# Altium PCB V5+_CORE_RC02.PcbDoc (part 3 of 3) (continued)
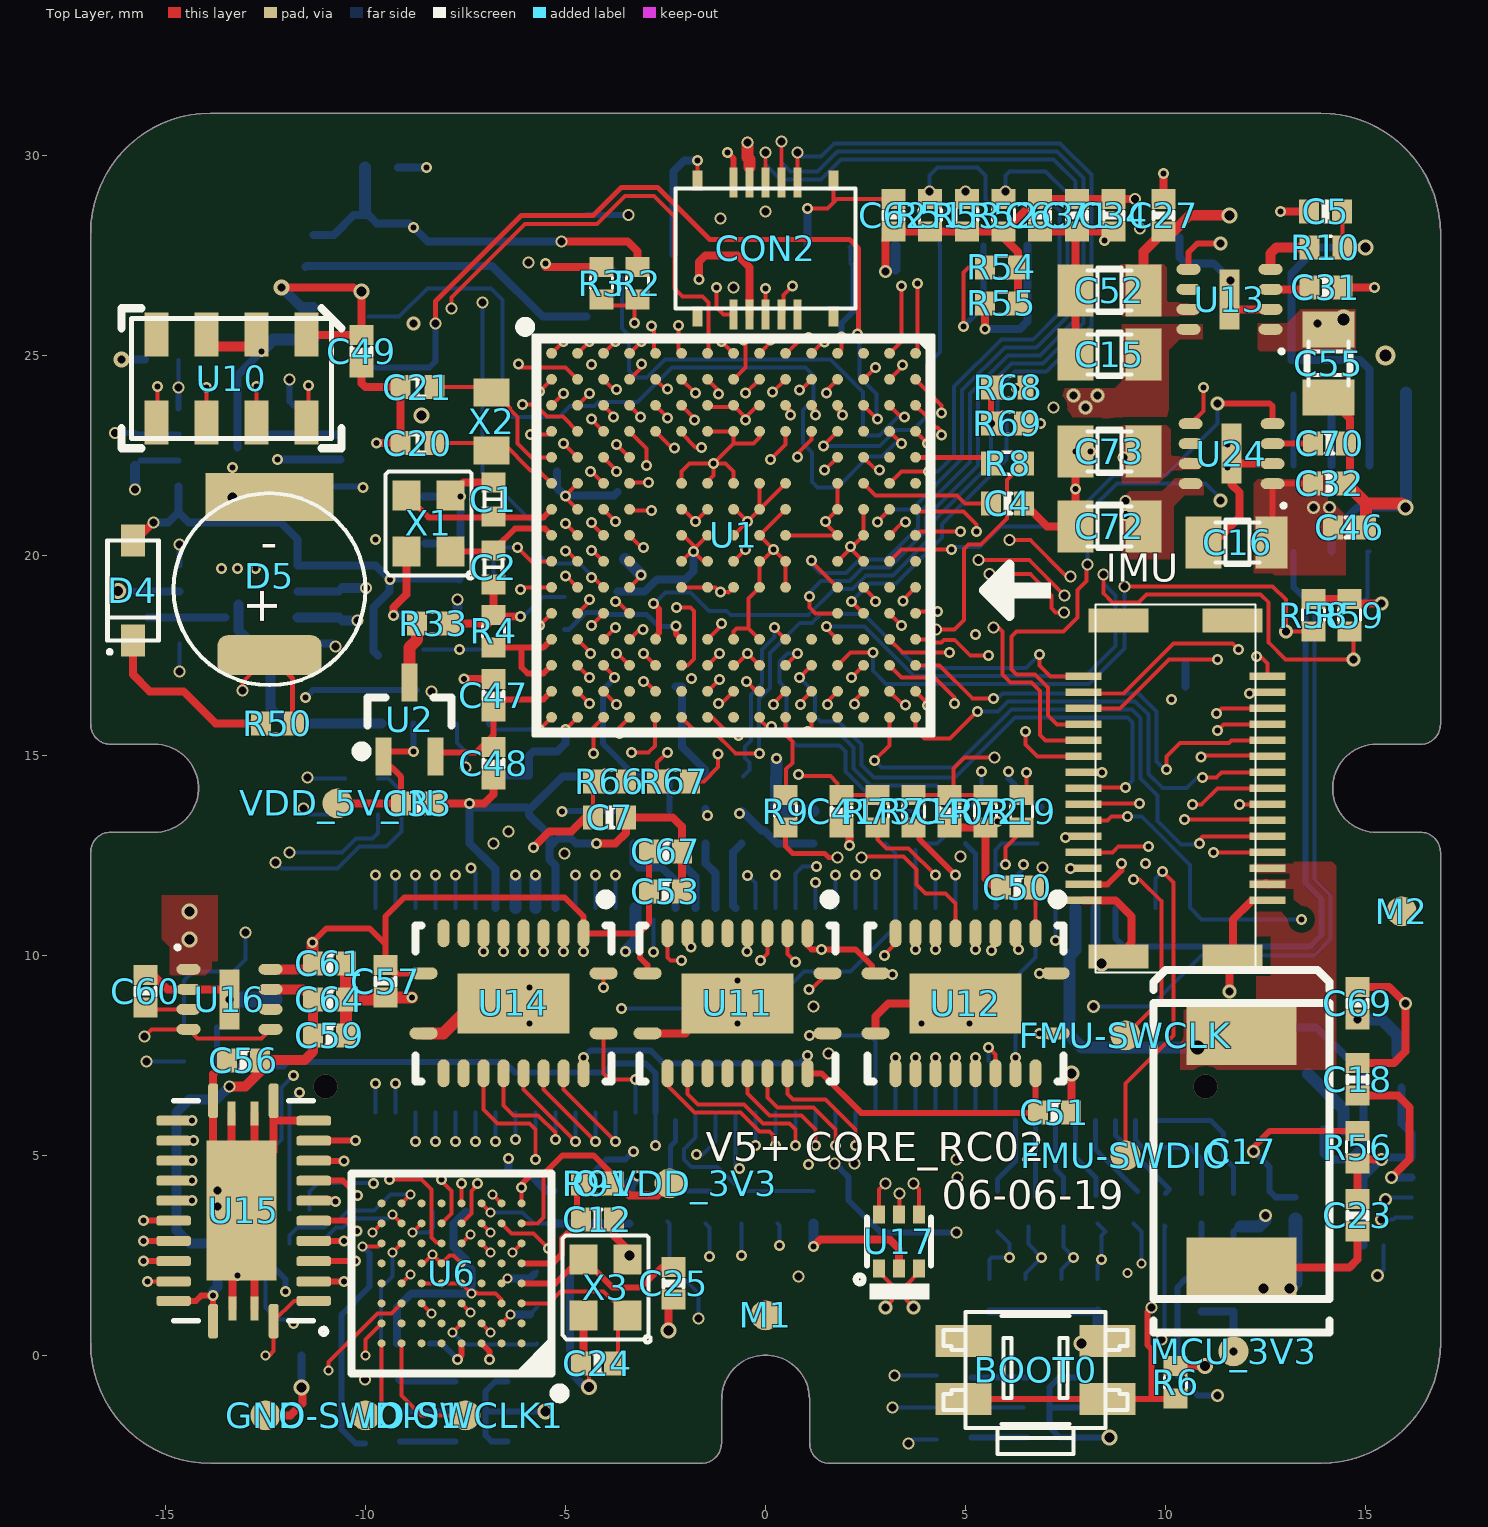
[diagram p0: Top Layer view]
## Nets (pads, with @x,y where several pads share a name; then routed paths per layer and width w, separated by ;. In a path a pad name is that pad's centre, name@x,y a point inside that pad or via, vN(x,y) a via of type N, cw(c..) or ccw(c..) an arc to the next point about the centre after c; other vN are vias at no path point) (continued)
  S1 w0.1: v1(-2.175,25.75) -1.974,25.951 -1.112,25.951 -1.111,25.95 -0.49,25.95 -0.302,26.137 0.222,26.137 0.474,26.388 0.814,26.388 1.114,26.688 2.746,26.688 3.11,26.325 3.868,26.325 4.418,26.875 6.203,26.875 6.853,26.225 9.038,26.225 10.612,24.651 10.612,23.958 11.1,23.47 11.1,21.549 v5@11.275,21.375
  S2 w0.1: v1(-12.725,24.225) -12.725,23.825 -12.55,23.65 -11.258,23.65 -10.683,24.225 -7.26,24.225 -5.785,25.7 -3.96,25.7 -3.396,26.263 -2.628,26.263 -2.175,25.811 v1(-2.175,25.75)
  Bottom Layer w0.1: v2(8.05,19.775) 8.05,21.067 8.783,21.8 11,21.8 v5@11.375,21.425
  other v5: 11.375,21.375
SPI6_SCK_EXTERNAL2: IMU.17 U1.A8 U10.8 | length 39.2
  Top Layer w0.1: U10.8@-11.475,23.325 -11.425,23.375 v1(-11.425,24.25) ; v1(-1.1,25.35) U1.A8@-0.8,25.05 ; IMU.17@7.95,16.575 7.975,16.55 8.95,16.55 10.2,17.8 11.676,17.8 v1(11.825,17.651)
  S1 w0.1: v1(-1.1,25.35) -1.1,25.7 -1.05,25.75 -0.407,25.75 -0.232,25.925 0.293,25.925 0.556,26.188 0.897,26.188 1.197,26.488 2.663,26.488 3.027,26.125 3.951,26.125 4.501,26.675 6.12,26.675 6.77,26.025 8.955,26.025 10.412,24.568 10.412,23.875 10.9,23.387 10.9,18.2 11.212,17.888 11.588,17.888 v1(11.825,17.651)
  S2 w0.1: v1(-11.425,24.25) -11.05,24.625 -7.425,24.625 -5.95,26.1 -4.125,26.1 -3.562,26.663 -2.462,26.663 -2.123,26.325 -1.45,26.325 -1.1,25.975 v1(-1.1,25.35)
SPIAUX_CS_MEM: U1.J4
TELEM1_CTS: CON1.65 U11.18 | length 3.7
  Top Layer w0.1: U11.18@0.55,7.05 0.55,6.532 0.682,6.4 1.5,6.4 2.25,5.65 v1(2.25,5.25)
  Bottom Layer w0.1: v1@2.25,5.35 CON1.65@2.25,6.07
TELEM1_RTS: CON1.66 U11.20 | length 4
  Top Layer w0.1: v1(1.1,8) 1.5,8 U11.20@1.55,8.05
  Bottom Layer w0.1: v1(1.1,8) 2.5,8 2.55,8.05 2.75,7.85 CON1.66@2.75,6.05
TELEM1_RX: CON1.64 U11.17 | length 3.8
  Top Layer w0.1: U11.17@0.05,7.05 0.05,6.45 0.3,6.2 1.2,6.2 1.75,5.65 v1(1.75,5.25)
  Bottom Layer w0.1: v1@1.75,5.35 CON1.64@1.75,6.07
TELEM1_TX: CON1.63 U11.16 | length 3.7
  Top Layer w0.1: U11.16@-0.45,7.05 -0.45,6.55 0.1,6 0.9,6 1.25,5.65 v1(1.25,5.25)
  Bottom Layer w0.1: v1@1.25,5.35 CON1.63@1.25,6.07
TELEM2_CTS: CON1.69 U12.14 | length 1.8
  Top Layer w0.1: U12.14@4.25,7.05 v1(4.25,7.45)
  Bottom Layer w0.1: CON1.69@4.25,6.07 v1(4.25,7.45)
TELEM2_RTS: CON1.70 U12.15 | length 1.8
  Top Layer w0.1: U12.15@4.75,7.05 v1(4.75,7.45)
  Bottom Layer w0.1: CON1.70@4.75,6.07 v1(4.75,7.45)
TELEM2_RX: CON1.68 U12.13 | length 1.8
  Top Layer w0.1: U12.13@3.75,7.05 v1(3.75,7.45)
  Bottom Layer w0.1: CON1.68@3.75,6.07 v1(3.75,7.45)
TELEM2_TX: CON1.67 U12.12 | length 1.8
  Top Layer w0.1: U12.12@3.25,7.05 v1(3.25,7.45)
  Bottom Layer w0.1: CON1.67@3.25,6.05 v1(3.25,7.45)
TF_3V3: C34.2 C62.2 C63.2 C71.2 C73.1 R51.1 R52.1 R53.1 R54.1 R55.1 TF.4 U24.7 | length 16.8
  Top Layer w0.2: v4(3,27.1) 3,27.889 C62.2@3.2,28.09 R53.1@5.033,28.09 R52.1@5.8,28.09 ; R52.1@5.875,28.015 6.31,27.58 R54.1@6.31,27.2 R55.1@6.31,26.3 ; R52.1@5.95,28.09 5.962,28.09 C63.2@6.62,28.747 ; C63.2@6.866,28.91 C71.2@7.783,28.91 C34.2@8.7,28.91 v2(9.235,28.91)
  POWER w0.3: v2(8.95,22.45) 8.95,23.95 10,25 10,28.4 9.49,28.91 v2(9.235,28.91)
  Bottom Layer w0.25: TF.4@3.25,27.15 TF.4@3.25,27.75
TIM5_SPARE_4: U1.E14
UART4_RX: CON1.72 U12.17 | length 2.4
  Top Layer w0.1: v1(5.575,7.69) 5.75,7.515 U12.17@5.75,7.05
  Bottom Layer w0.1: v1(5.575,7.69) 5.575,7.375 5.75,7.2 CON1.72@5.75,6.07
UART4_RX_I2C2: U1.B12 U12.4 | length 20.4
  Top Layer w0.1: v1@1.525,24.125 U1.B12@1.8,24.4
  S1 w0.1: v1(1.525,24.051) 1.525,23.953 1.475,23.903 1.587,23.791 1.587,23.361 1.787,23.161 1.787,22.328 2.552,21.563 3.105,21.563 3.106,21.562 3.193,21.562 3.194,21.563 3.805,21.563 3.806,21.562 5.745,21.562 6.65,20.657 6.65,18.324 7.3,17.674 7.3,14.4 7.025,14.125 5.675,14.125 5.25,13.7 5.25,10.65 5.65,10.25 v1(5.65,10.125)
UART4_TX: CON1.71 U12.16 | length 1.8
  Top Layer w0.1: U12.16@5.25,7.05 v1(5.25,7.45)
  Bottom Layer w0.1: CON1.71@5.25,6.07 v1(5.25,7.45)
UART4_TX_I2C2: U1.C12 U12.5 | length 21.4
  Top Layer w0.1: U1.C12@1.8,23.75 1.8,23.626 v1(1.925,23.501) ; v1(5.25,10.15) U12.5@5.25,10.55
  S1 w0.1: v1(1.925,23.501) 1.987,23.438 1.987,22.411 2.635,21.763 3.888,21.763 3.889,21.762 5.828,21.762 6.85,20.74 6.85,18.41 7.5,17.76 7.5,14.3 7.125,13.925 5.775,13.925 5.45,13.6 5.45,10.95 5.987,10.412 5.987,9.937 5.825,9.775 5.375,9.775 5.25,9.9 v1(5.25,10.15) v1@5.272,10.15
UART7_RX_DEBUG: U1.K2 U12.1 | length 26.2
  Top Layer w0.1: v1(-5.001,19.476) -4.976,19.476 U1.K2@-4.7,19.2 ; v1(6.85,9.55) U12.1@7.25,9.55
  S2 w0.1: v2(-6.425,13.1) -6.1,13.425 -6.1,17.4 -6.75,18.05 -6.75,19.05 -6.313,19.487 -5.012,19.487 v1(-5.001,19.476)
  POWER w0.1: v2(-6.425,13.1) -6.2,13.1 -6.038,13.262 -4.771,13.262 -4.308,13.725 -3.525,13.725 -2.6,12.8 -0.1,12.8 0.4,13.3 1.213,13.3 1.638,13.725 4.143,13.725 4.843,13.025 5.102,13.025 5.462,12.665 5.462,11.904 6.909,10.458 6.909,9.609 v1(6.85,9.55)
UART7_TX_DEBUG: U1.P8 U12.3 | length 28.8
  Top Layer w0.1: v1@-1.1,16.3 U1.P8@-0.8,16.6 ; U12.3@6.25,10.55 6.325,10.474 v1(6.325,10.15)
  S2 w0.1: v1(-1.175,16.3) -1.258,16.3 -1.875,15.682 -1.875,11.932 -1.225,11.282 -1.225,6.398 -0.638,5.811 -0.638,5.14 -0.273,4.775 v1(1.075,4.775)
  POWER w0.1: v1(1.075,4.775) 1.075,4.225 1.601,3.699 3.899,3.699 4.2,4 4.2,5.6 2.804,6.996 2.804,8.804 3,9 6.1,9 6.275,9.175 6.275,10.1 v1(6.325,10.15)
UART8_RX_FROM_IO: R81.2 U1.A4 | length 21.1
  Top Layer w0.1: U1.A4@-3.4,25.05 v1(-3.1,25.35)
  S2 w0.1: v2(-11.55,13.675) -11.15,13.675 -10.9,13.925 -10.9,14.677 -11.05,14.827 -11.05,15.857 -10.763,16.144 -10.763,17.242 -11.1,17.58 -11.1,19.527 -9.528,21.1 -5.854,21.1 -5.14,21.813 -4.861,21.813 -4.81,21.762 -3.313,21.762 -3.263,21.812 -3.263,22.06 -3.313,22.11 -3.313,22.389 -3.12,22.583 -3.12,22.805 -2.763,23.162 -2.763,23.261 -2.788,23.286 -2.788,23.566 -2.763,23.591 -2.763,23.712 -2.95,23.9 -2.95,24.261 -2.763,24.449 -2.763,25.012 v1(-3.1,25.35)
  Bottom Layer w0.1: v2(-11.55,13.675) -11.4,13.525 R81.2@-10.51,13.525
UART8_TX_TO_IO: R84.2 U1.A3 | length 18.8
  Top Layer w0.1: U1.A3@-4.05,25.05 v1(-3.75,25.35)
  S2 w0.1: v2(-11.45,14.45) -11.45,16.022 -11.163,16.31 -11.163,17.076 -11.5,17.414 -11.5,19.693 -9.668,21.525 -8.333,21.525 -8.163,21.695 -8.163,21.697 -7.848,22.012 -7.846,22.012 -7.483,22.375 -4.887,22.375 -4.149,23.112 -3.563,23.112 -3.438,23.237 -3.438,23.286 -3.463,23.311 -3.463,23.591 -3.265,23.788 -3.262,23.788 -3.225,23.825 -3.225,24.4 -3.475,24.65 -3.475,25.075 v1(-3.75,25.35)
  Bottom Layer w0.1: v2(-11.45,14.45) -11.425,14.425 R84.2@-10.51,14.425
UI_LED_BLUE_EXTERNAL: CON2.8 U1.K12 | length 24.4
  Top Layer w0.1: CON2.8@0,29.325 v2(0,30.075) ; v1(1.15,19.875) 1.125,19.875 U1.K12@1.8,19.2
  Bottom Layer w0.1: v2(0,30.075) 0,29.775 0.374,29.4 1.383,29.4 1.883,29.9 7.2,29.9 7.75,29.35 7.75,25.892 6.858,25 6.066,25 5.115,24.049 5.115,22.332 3.812,21.029 3.812,20.696 3.016,19.9 2.351,19.9 2.014,19.562 1.362,19.562 1.15,19.775 v1(1.15,19.875)
UI_LED_GREEN_EXTERNAL: CON2.7 U1.L12 | length 25
  Top Layer w0.1: CON2.7@0.4,29.6 v2(0.4,30.35) ; v1(1.1,18.976) 1.1,18.701 1.251,18.55 U1.L12@1.8,18.55
  Bottom Layer w0.1: v2(0.4,30.35) 0.4,29.825 0.624,29.6 1.3,29.6 1.8,30.1 7.283,30.1 7.95,29.433 7.95,25.809 6.941,24.8 6.149,24.8 5.315,23.966 5.315,22.249 4.012,20.947 4.012,20.613 3.099,19.7 2.434,19.7 2.096,19.362 1.387,19.362 1.1,19.075 v1(1.1,18.976)
UI_LED_RED_EXTERNAL: CON2.6 U1.L13 | length 23.2
  Top Layer w0.1: CON2.6@0.8,29.325 v2(0.8,30.075) ; v1(2.15,18.85) U1.L13@2.45,18.55
  Bottom Layer w0.1: v2(0.8,30.075) 0.9,29.975 1.392,29.975 1.717,30.3 7.366,30.3 8.15,29.516 8.15,25.726 7.024,24.6 6.231,24.6 5.8,24.169 5.8,23.599 6.025,23.374 6.025,22.393 4.412,20.781 4.412,20.448 3.265,19.3 2.6,19.3 v1(2.15,18.85)
USART1_RX_GPS1: U1.B5 U11.8 | length 18.1
  Top Layer w0.1: U1.B5@-2.75,24.4 -2.502,24.151 v1(-2.45,24.151)
  S2 w0.1: v1(-2.45,24.151) -2.45,23.903 -2.113,23.566 -2.113,23.236 -2.163,23.236 -2.311,23.088 -2.437,23.088 -2.675,22.85 -2.675,22.427 -2.088,21.839 -2.088,20.289 -2.138,20.239 -2.138,19.637 -1.875,19.375 -1.875,17.965 -2.433,17.407 -2.433,16.987 -2.513,16.907 -2.513,16.628 -2.738,16.403 -2.738,15.548 -2.988,15.298 -2.988,14.478 -2.65,14.14 -2.65,10.542 -2.463,10.354 -2.463,9.587 -2.3,9.425 -1.9,9.425 -1.625,9.7 -1.625,9.975 v1(-1.863,10.213)
USART1_TX_GPS1: U1.B6 U11.9 | length 17.3
  Top Layer w0.1: U11.9@-2.45,10.55 -2.45,9.95 -2.376,9.875 v1(-2.1,9.875) ; U1.B6@-2.1,24.4 v1(-1.75,24.051)
  S2 w0.1: v1@-2.05,9.825 -2.263,10.037 -2.263,10.437 -2.45,10.625 -2.45,14.223 -2.788,14.561 -2.788,15.215 -2.538,15.465 -2.538,16.32 -2.233,16.625 -2.233,17.324 -1.675,17.882 -1.675,19.747 -1.413,20.01 -1.413,20.339 -1.463,20.39 -1.463,20.66 -1.413,20.71 -1.413,21.447 -1.95,21.985 -1.95,22.524 -1.938,22.536 -1.938,22.816 -1.949,22.826 -1.949,22.829 -1.739,23.038 -1.636,23.038 -1.438,23.236 -1.438,23.738 v1(-1.75,24.051)
USART2_CTS_TELEM1: U1.D11 U11.3 | length 14.9
  Top Layer w0.1: U11.3@0.55,10.55 0.55,10.034 v1(0.75,9.834) ; v1(0.8,22.451) 0.8,22.55 1.15,22.9 U1.D11@1.15,23.1
  S2 w0.1: v1(0.75,9.834) 0.75,10.3 0.862,10.412 0.862,12.151 0.712,12.301 0.712,13.93 1.164,14.382 1.164,14.795 0.712,15.247 0.712,15.923 0.537,16.098 0.537,16.785 0.462,16.86 0.462,17.961 0.762,18.261 0.762,22.413 v1(0.8,22.451)
USART2_RTS_TELEM1: U1.D10 U11.1 | length 16.3
  Top Layer w0.1: v1(0.125,22.4) 0.5,22.775 U1.D10@0.5,23.1 ; v1(1.083,9.142) 1.142,9.142 U11.1@1.55,9.55
  S2 w0.1: v1(0.125,22.4) 0.125,20.947 -0.138,20.685 -0.138,18.086 0.25,17.698 0.25,16.803 -0.163,16.39 -0.163,15.973 -0.313,15.823 -0.313,15.386 -0.543,15.155 -0.543,14.916 -0.315,14.688 -0.291,14.688 -0.091,14.488 -0.091,11.816 0.212,11.512 0.212,9.611 0.682,9.142 v1(1.083,9.142)
USART2_RX_TELEM1: U1.B11 U11.4 | length 18.2
  Top Layer w0.1: v1(-0.125,9.875) 0.05,10.05 U11.4@0.05,10.55 ; v1(0.85,24.126) 0.85,24.1 U1.B11@1.15,24.4
  S2 w0.1: v1(-0.125,9.875) -0.125,9.85 -0.213,9.763 -0.615,9.763 -0.813,9.96 -0.813,11.603 -0.988,11.778 -0.988,14.582 -1.106,14.7 -1.378,14.7 -1.575,14.897 -1.575,15.7 -1.388,15.887 -1.086,15.887 -0.813,16.16 -0.813,16.99 -0.788,17.015 -0.788,18.135 -0.763,18.16 -0.763,19.237 -1.175,19.65 -1.175,21.86 0.037,23.072 0.037,23.391 0.772,24.126 v1(0.85,24.126)
USART2_TX_TELEM1: U1.C11 U11.5 | length 17.1
  Top Layer w0.1: v1(-0.469,10.1) -0.469,10.518 -0.475,10.525 U11.5@-0.45,10.55 ; U1.C11@1.15,23.75 1.25,23.65 v1(1.25,23.501)
  S2 w0.1: v1(-0.469,10.1) -0.469,11.541 -0.788,11.86 -0.788,12.985 -0.56,13.213 -0.511,13.213 -0.313,13.411 -0.313,14.427 -0.374,14.488 -0.398,14.488 -0.846,14.936 -0.846,15.177 -1.056,15.387 -1.056,15.634 -0.8,15.89 -0.648,15.89 -0.363,16.175 -0.363,16.473 0.05,16.886 0.05,17.55 -0.563,18.162 -0.563,19.32 -0.975,19.732 -0.975,21.777 0.222,22.975 0.846,22.975 1.25,23.378 v1(1.25,23.501)
USART3_CTS_TELEM2: U1.N14 U12.7 | length 9.1
  Top Layer w0.1: U1.N14@3.1,17.25 3.4,16.95 4.225,16.95 4.725,16.449 v1(4.725,16.3) ; v1(4.25,10.15) U12.7@4.25,10.55
  S1 w0.1: v1(4.25,10.15) 4.25,10.65 3.909,10.991 3.909,14.167 4.062,14.321 4.062,15.462 4.725,16.125 v1(4.725,16.3)
USART3_RTS_TELEM2: U1.N13 U12.6 | length 9.2
  Top Layer w0.1: v1(2.15,16.95) U1.N13@2.45,17.25 ; v2@2.4,12.525 2.45,12.475 3.45,12.475 3.775,12.15 3.775,11.775 4,11.55 4.5,11.55 4.75,11.3 U12.6@4.75,10.55
  S1 w0.1: v1(2.15,16.95) 2.125,16.95 1.837,16.662 1.837,16.465 1.887,16.415 1.887,15.613 2.387,15.113 2.387,13.662 2.625,13.425 2.625,12.75 v2@2.4,12.525
  other v2: 2.4,12.45
USART3_RX_TELEM2: U1.P14 U12.8 | length 7.3
  Top Layer w0.1: U1.P14@3.1,16.6 3.449,16.25 3.46,16.262 v1(3.5,16.262) ; v1(3.75,10.15) U12.8@3.75,10.55
  S1 w0.1: v1(3.5,16.262) 3.862,15.899 3.862,14.404 3.709,14.25 3.709,10.191 v1(3.75,10.15)
USART3_TX_TELEM2: U1.P15 U12.9 | length 9.3
  Top Layer w0.1: v1(2.975,10) 2.975,10.025 3.25,10.3 U12.9@3.25,10.55 ; U1.P15@3.75,16.6 4.016,16.333 v1@4.016,16.216
  S1 w0.1: 2.975,10.484 3.487,10.996 3.487,14.311 3.662,14.486 3.662,15.622 3.162,16.122 3.162,16.402 3.162,16.44 3.322,16.6 3.95,16.6 4.05,16.5 v1(4.05,16.25) ; v1(2.975,10) 2.975,10.484
USART6_CTS_TELEM3: U1.B7 | length 0.5
  Top Layer w0.1: U1.B7@-1.45,24.4 -1.15,24.1 -1.175,24.075 v1(-1.175,24.037)
USART6_RTS_TELEM3: U1.H14 | length 0.5
  Top Layer w0.1: U1.H14@3.1,20.5 3.426,20.826 v1(3.5,20.826)
USART6_RX_TELEM3: U1.C10 | length 0.4
  Top Layer w0.1: U1.C10@0.5,23.75 0.625,23.625 v1(0.625,23.501) v1@0.699,23.501
USART6_TX_TELEM3/(RC_INPUT): R12.1 U1.A7 | length 69.9
  Top Layer w0.1: v2(-7.85,26.175) -7.85,26.449 -6.012,28.287 -4.212,28.287 -3.512,28.987 -2.788,28.987 -2.275,28.474 -2.275,26.675 -2.075,26.475 -1.575,26.475 -1.425,26.325 -1.425,25.075 U1.A7@-1.45,25.05
  S2 w0.1: v2(-7.85,26.175) -7.85,26.2 -7.15,26.9 -4.457,26.9 -3.525,27.831 1.369,27.831 3.287,25.913 3.287,25.513 5.1,23.7 5.1,22.8 5.5,22.4 6.9,22.4 7.75,23.25 9.8,23.25 10.487,22.562 10.487,14.411 10.785,14.113 11.035,14.113 11.538,13.611 11.538,12.435 10.85,11.747 10.85,9.65 9.8,8.6 9.8,5.317 8.283,3.8 5.9,3.8 5.15,3.05 5.15,1.35 4.45,0.65 1.9,0.65 1.4,1.15 -1.45,1.15 v2(-1.675,0.925)
  Bottom Layer w0.1: R12.1@-2.45,3.34 R12.1@-2.4,3.29 -2.4,2.275 -1.675,1.55 v2(-1.675,0.925)
USB_D_N: U1.C15 U17.1 | length 33.4
  Top Layer w0.1: U17.1@2.841,2.165 2.841,2.078 3.164,1.755 3.164,1.364 v5(3,1.2) ; U1.C15@3.75,23.75 4.046,23.453 4.046,23.404 4.253,23.197 4.302,23.197 4.486,23.013 v1(4.402,23.013)
  S2 w0.1: v5(3,1.2) 3.2,1.4 3.2,3.201 3.999,4 5.199,4 5.553,4.354 8.053,4.354 9.246,5.547 9.246,8.829 10.263,9.846 10.263,12.409 10.033,12.638 10.033,12.863 9.783,13.113 9.783,13.893 9.221,14.456 9.221,16.729 9.471,16.979 9.471,19.878 9.174,20.175 7.45,20.175 6.225,21.4 5.4,21.4 4.412,22.388 4.412,23.003 v1(4.402,23.013)
USB_D_P: U1.B15 U17.3 | length 34.2
  Top Layer w0.1: v5(3.7,1.2) 3.518,1.382 3.518,1.755 3.841,2.078 U17.3@3.841,2.165 ; U1.B15@3.75,24.4 4.4,23.749 v1(4.4,23.551)
  S2 w0.1: v5(3.7,1.2) 3.554,1.346 3.554,3.054 4.146,3.646 5.346,3.646 5.7,4 8.2,4 9.6,5.4 9.6,8.683 10.617,9.699 10.617,12.555 10.387,12.785 10.387,13.01 10.137,13.26 10.137,14.04 9.575,14.603 9.575,16.582 9.825,16.832 9.825,20.025 9.321,20.529 7.596,20.529 6.371,21.754 5.547,21.754 4.766,22.534 4.766,22.752 4.844,22.83 4.844,23.196 4.585,23.454 4.461,23.454 4.4,23.516 v1(4.4,23.551)
VBAT: D5.1 R50.1 U1.C1 | length 16.7
  Top Layer w0.1: v2(-13.075,16.625) -13.075,16.826 D5.1@-12.4,17.501 ; U1.C1@-5.35,23.75 v1(-5.05,24.05)
  Top Layer w0.12: D5.1@-12.4,17.501 -11.826,16.926 -11.826,15.88 -11.8,15.855 -11.823,15.832 R50.1@-11.79,15.8
  S2 w0.1: v2@-13.125,16.65 -12.375,16.65 -11.7,17.325 -11.7,19.857 -10.4,21.157 -10.4,21.847 -10.223,22.025 -10.215,22.025 -10.203,22.037 -8.389,22.037 -7.651,22.775 -6.825,22.775 -6.2,23.4 -5.425,23.4 -5.05,23.775 v1(-5.05,24.05)
VBUS: R8.1 U1.E15 | length 1.9
  Top Layer w0.125: U1.E15@3.75,22.45 R8.1@5.64,22.45
VBUS_IN: CON1.15 R8.2 U17.5 | length 37
  Top Layer w0.1: U17.5@3.341,3.615 3.35,3.623 v2(3.35,4.049) ; v2(4.262,18.15) 4.725,18.15 4.962,18.387 4.962,20.162 5.075,20.275 5.392,20.275 6.04,20.923 6.04,21.88 R8.2@6.46,22.3
  S1 w0.1: v1(2.75,12.025) 2.887,12.162 2.887,14.56 3.062,14.735 3.062,15.362 2.562,15.862 2.562,16.689 3.123,17.25 4.075,17.25 4.262,17.437 v2(4.262,18.15)
  S2 w0.1: v2(3.35,4.049) 3.35,5.05 3.6,5.3 8.017,5.3 8.6,5.883 8.6,9.1 9.3,9.8 9.3,10.034 8,11.334 8,12.1 8,12.351 7.9,12.451 7.9,13.151 7.3,13.751 7.3,16.234 6.934,16.6 6.417,16.6 6.117,16.9 4.993,16.9 4.893,17 4.4,17 4.1,17.3 4.1,17.987 v2(4.262,18.15)
  Bottom Layer w0.1: CON1.15@2.746,11.186 v1@2.746,11.907
VDD_3V3_SD_CARD_EN: U1.J14 U24.4 | length 12
  Top Layer w0.1: U1.J14@3.1,19.85 3.4,20.15 v1(4.65,20.15)
  Top Layer w0.15: v5(11.3,23.8) 12.6,23.8 12.677,23.723 U24.4@12.677,23.289
  Bottom Layer w0.1: v1(4.65,20.15) 4.701,20.201 5.351,20.201 5.875,20.725 7.425,20.725 8.7,22 10,22 11.3,23.3 v5(11.3,23.8)
VDD_3V3_SENSORS_EN: IMU.15 U1.A1 U24.5 | length 31.3
  Top Layer w0.1: U1.A1@-5.35,25.05 v1(-5.05,25.35) ; U24.5@10.627,23.289 10.95,23.612 v1(10.95,24.2) ; v1(12.275,17.475) 12.375,17.475 12.55,17.3 IMU.15@12.55,16.975
  S1 w0.1: v1(-5.05,25.35) -5.05,26.65 -4.275,27.425 -3.858,27.425 -3.583,27.7 1.668,27.7 2.243,28.275 9.262,28.275 v2(9.362,28.175) ; v1(10.95,24.2) 10.987,24.237 11.393,24.237 11.938,23.693 11.938,18.046 12.275,17.709 v1(12.275,17.475)
  S2 w0.1: v2(9.362,28.175) 9.362,24.838 10,24.2 v1(10.95,24.2)
VDD_3V3_SPEKTRUM_EN: U6.A2
VDD_5V_IN: C16.1 C32.2 C33.2 C44.2 C45.2 C46.1 C55.1 CON1.32 CON1.33 CON2.2 CON2.9 D1.2 D1.4 D1.6 D2.2 D2.4 D2.6 R35.2 U2.1 U8.3 U9.3 U13.1 U13.5 U16.1 U24.1 VDD_5V_IN.0 | length 126
  Top Layer w0.15: U2.1@-9.588,14.937 -9.11,14.46 C33.2@-9.11,13.8 ; U2.1@-9.55,14.975 -9.425,15.1 v1(-8.8,15.1) ; U13.5@10.575,27.15 10.575,27.575 10.8,27.8 v5(11.375,27.8) ; C16.1@12.677,20.352 U24.1@12.677,21.789 C32.2@13.72,21.789
  Top Layer w0.2: VDD_5V_IN.0@-10.7,13.8 C33.2@-9.11,13.8 ; v1(-1.663,26.893) -1.663,27.337 -1.5,27.5 -0.7,27.5 -0.4,27.2 CON2.2@-0.4,26.025
  Top Layer w0.3: v2(-0.45,30.325) -0.45,29.95 -0.4,29.9 -0.4,29.7
  S2 w0.2: v6(-14.4,10.4) -14.9,10.4 -15.925,9.375 -15.925,6.721 -15.069,5.865 -15.069,1.368 -14.6,0.9 -13.1,0.9 -12.8,1.2 -11.464,1.2 -10.89,0.625 -9.551,0.625 -7.525,-1.4 v6(-5.5,-1.4) -5.5,-0.4 -5.325,-0.225 -1.63,-0.225 -0.905,0.5 0.9,0.5 1.4,0 3.7,0 4.1,-0.4 4.1,-1.6 4.55,-2.05 v6(8.6,-2.05)
  POWER w0.25: v1(-1.663,26.893) -1.663,27.537
  POWER w0.254: v6(-16.19,19.11) -11.99,19.11
  POWER w0.3: -10.6,15.1 v1(-8.8,15.1) ; -0.45,27.6 v2(-0.45,30.325)
  POWER w0.5: v6(-14.4,10.4) v6(-14.4,11.1) -14.4,11.2 -14,11.6 -10.6,11.6
  POWER w0.8: -12.2,21.8 -12.2,22.5 -10.7,24 -10.7,25.9 -11,26.2 -11,28.5 -10.513,28.987 -4.988,28.987 -3.6,27.6 -0.6,27.6 ; -10.6,16.522 -10.6,15.1 -10.6,11.6 -10,11 -7.3,11 -6.35,11.95 v1@-5.754,11.95 ; -0.45,27.6 1.4,27.6 2.1,28.3 2.1,29.3 3.2,30.4 10.2,30.4 10.8,29.8 10.8,28.098 11.248,27.65 12.75,27.65 13.289,27.111 13.289,26.2 13.59,25.9 v9(14.45,25.9)
  Bottom Layer w0.15: v6(-16.19,19.11) C45.2@-15.6,19.11 ; v1(-8.8,15.1) R35.2@-8.8,15.8 ; -6.95,-1.4 D2.4@-6.35,-1.4 v6(-5.5,-1.4) ; D2.6@-6.45,-2.15 -6.85,-2.15 -7,-2 -7,-0.9 -6.75,-0.65 D2.2@-6.45,-0.65 ; 7.2,-1.3 D1.4@7.85,-1.3 ; D1.2@7.75,-0.55 7.35,-0.55 7.1,-0.8 7.1,-1.8 7.35,-2.05 D1.6@7.75,-2.05 v6(8.6,-2.05)
  Bottom Layer w0.2: C45.2@-15.59,19.1 U9.3@-14.65,19.1 ; v1(-12.2,22.4) C44.2@-10.623,22.4
  Bottom Layer w0.3: CON1.33@-6.254,11.186 v1@-6.254,11.907 ; CON1.32@-5.754,11.186 v1@-5.754,11.907
  other v1: -6.254,12.007 -5.754,12.007
  other v4: 13.7,21.2 14.1,21.2
  other v5: 13.8,25.8
VDD_5V_IN_IMU: C17.A CON1.5 IMU.2 IMU.3 | length 6.7
  Top Layer w0.2: IMU.2@12.512,11.812 IMU.2@12.55,11.775
  Bottom Layer w0.3: CON1.5@7.746,11.186 7.746,10.366 7.746,10.129 7.6,9.983 7.6,8 7.9,7.7 v11@10.9,7.7
  other v11: 10.8,7.7
VDD_5V_RC_EN: CON1.60 U1.K13 | length 17.8
  Top Layer w0.1: U1.K13@2.45,19.2 v1@2.75,18.9
  S2 w0.1: v1(-0.25,5.25) -0.25,5.7 0,5.95 1.6,5.95 1.95,6.3 1.95,10.815 2.621,11.487 2.972,11.487 3.287,11.802 3.287,15.287 2.75,15.825 2.75,17.16 3.024,17.435 3.024,17.714 2.75,17.989 v1(2.75,18.851)
  Bottom Layer w0.1: v1@-0.25,5.35 CON1.60@-0.25,6.07
VDD_5V_WIFI_EN: U1.J15
VDD_SERVO: CON1.26 R92.1 | length 7.6
  POWER w0.1: v1(-3.3,5.1) -3.3,5.575 -2.85,6.025 -2.85,10.029 v1(-2.8,10.079)
  Bottom Layer w0.1: v1@-2.8,10.179 CON1.26@-2.8,10.9
  Bottom Layer w0.15: R92.1@-4.3,4.11 -4.3,4.575 -3.975,4.9 -3.5,4.9 v1(-3.3,5.1)
VREF+: C47.2 C48.2 U1.P1 U2.2 | length 3.7
  Top Layer w0.15: -8.05,15.075 -7.235,15.075 -6.8,15.51 ; -6.795,15.505 -6.795,16.095 -6.49,16.4 -5.55,16.4 U1.P1@-5.35,16.6
VREF-: R4.2 U1.M1 U1.N1 | length 2.9
  Top Layer w0.15: R4.2@-6.8,17.69 -6.1,17.69 ; U1.N1@-5.35,17.25 -5.55,17.05 -5.95,17.05 -6.1,17.2 -6.1,17.69 ; U1.M1@-5.35,17.9 -5.56,17.69 -6.1,17.69
WP+HOLD: R49.2 U3.3 U3.7 | length 7.6
  Bottom Layer w0.2: R49.2@-11.5,27.21 -11.475,27.235 U3.7@-9.925,27.235 -6.835,27.235 -5.565,25.965 U3.3@-4.475,25.965
pads on no net: BOOT0.A1 CON2.0 CON2.5 IMU.0 M1.1 M2.1 M3.1 M4.1 TF.0 U4.3 U4.4 U4.7 U4.8 U4.12 U6.B5 U6.B6 U6.B7 U6.C5 U6.D8 U6.E2 U6.E3 U6.E7 U6.E8 U6.F2 U6.F6 U6.H5 U6.H6 U10.4 U11.6 U11.7 U11.14 U11.15 U13.6 U14.8 U14.9 U14.12 U14.13 U16.6 U24.6
copper on no net:
  other v10: -11,6.725 11,6.725

## Polygon pours and split planes (outlines as drawn)
VDD_5V_IN on Top Layer "Top Layer-No Net 1" (solid, remove dead copper, pour order 12): 12.3,25.8 13,25.8 13.025,25.8 13.375,26.15 14.75,26.15 14.75,25.1 13.175,25.1 12.35,25.1 12.3,25.15
IO-VDD_3V3 on Top Layer "Top Layer-No Net 1" (solid, remove dead copper, pour order 8): 10.9,26.325 10.9,25.975 8.875,25.975 8.875,27.275 9.95,27.275 9.975,27.25 10.025,27.2 10.025,26.425 10.025,26.375 10.075,26.325 10.875,26.325
MCU_3V3 on Top Layer "Top Layer-No Net 1" (solid, remove dead copper, pour order 6): 10.925,25.775 10.925,25.4 10.35,25.4 10.25,25.3 10.075,25.125 10.075,24.35 10.075,24.2 8.9,24.2 8.9,25.775
IMU_3V3 on Top Layer "Top Layer-No Net 1" (solid, remove dead copper, pour order 2): 8.9,21.575 8.9,19.9 10.2,19.9 10.2,20.3 10.2,21.2 10.225,21.25 10.35,21.375 10.475,21.5 10.95,21.5 10.95,21.95 10.15,21.95 9.975,21.95 9.825,21.8 9.65,21.625 8.875,21.625
TF_3V3 on Top Layer "Top Layer-No Net 1" (solid, remove dead copper, pour order 0): 10.95,22.475 10.95,22.125 10.475,22.125 10.45,22.125 10.425,22.125 10.375,22.125 10.15,22.125 9.975,21.95 9.825,21.8 8.9,21.8 8.9,23.225 8.925,23.25 9.95,23.25 10.025,23.25 10.1,23.175 10.125,23.15 10.125,22.575 10.125,22.525 10.175,22.475
MCU_3V3 on Top Layer "Top Layer-No Net 1" (solid, remove dead copper, pour order 14): 10.075,25.125 10.075,24.2 10.075,23.5 9.95,23.375 9.95,23.425 7.3,23.425 7.3,24.275 7.3,24.175 8.725,24.175 8.9,24.35 8.9,25.775 10.925,25.775 10.925,25.4 10.35,25.4
VDD_5V_IN on Top Layer "Top Layer-No Net 1" (solid, remove dead copper, pour order 16): -14.7,9.5 -14,9.5 -13.9,9.6 -13.7,9.8 -13.7,10.5 -13.7,11.5 -15.1,11.5 -15.1,10.4 -14.9,10.2 -14.9,9.5
VDD_5V_IN on Top Layer "Top Layer-No Net 1" (solid, remove dead copper, pour order 20): 12.3,21.9 13.3,21.9 13.5,22.1 14.2,22.1 14.2,21.3 14.5,21 14.5,19.5 12.2,19.5 12.2,21.8
VDD_5V_IN_IMU on Top Layer "Top Layer-No Net 1" (solid, remove dead copper, pour order 26): 10.37,7.132 14.27,7.132 14.27,12.232 14.17,12.332 12,12.332 12,11.532 12.27,11.532 12.27,8.732 12.17,8.632 10.37,8.632
VDD_5V_IN_IMU on Bottom Layer "Top Layer-No Net 1" (solid, remove dead copper, pour order 62): 11.2,8.1 11.2,7.3 7.3,7.3 7.1,7.5 7,7.6 7,10.2 7,10.22 7.246,10.466 7.4,10.62 7.4,11.8 8.1,11.8 8.1,9.4 8.1,8.5 8.2,8.4 11.2,8.4
GND on GND "Top Layer-No Net 1" (solid, remove dead copper, pour order 64): -14.6,-2.6 -14.5,-2.7 14.5,-2.7 15.1,-2.7 17.2,-0.6 17,-0.4 17,29.2 17,29.4 15.1,31.3 15,31.4 -15,31.4 -15.3,31.4 -17.2,29.5 -17.1,29.4 -17.1,-0.7 -17.1,-0.8 -15.3,-2.6
GND on S1 "Top Layer-No Net 1" (solid, remove dead copper, pour order 66): -14.6,-2.6 -14.5,-2.7 14.5,-2.7 15.1,-2.7 17.2,-0.6 17,-0.4 17,29.2 17,29.4 15.1,31.3 15,31.4 -15,31.4 -15.3,31.4 -17.2,29.5 -17.1,29.4 -17.1,-0.7 -17.1,-0.8 -15.3,-2.6
GND on S2 "Top Layer-No Net 1" (solid, remove dead copper, pour order 68): -14.6,-2.6 -14.5,-2.7 14.5,-2.7 15.1,-2.7 17.2,-0.6 17,-0.4 17,29.2 17,29.4 15.1,31.3 15,31.4 -15,31.4 -15.3,31.4 -17.2,29.5 -17.1,29.4 -17.1,-0.7 -17.1,-0.8 -15.3,-2.6
MCU_3V3 on POWER "Top Layer-No Net 1" (solid, remove dead copper, pour order 70): -10.513,28.987 -4.988,28.987 -3.6,27.6 1.4,27.6 1.9,28.1 2.1,28.3 2.1,28.9 2.1,29.3 3.2,30.4 9.7,30.4 9.7,24.7 8.95,23.95 9,23.899 9,13.7 -10.513,13.7 -11.562,16.061 -11.562,21.7 -11.562,27.938 -10.9,28.6
VDD_5V_IN on POWER "Top Layer-No Net 1" (solid, remove dead copper, pour order 72): 17,12.5 16.9,12.4 16.9,0.1 16.9,-1 15.2,-2.7 15.1,-2.8 -14.2,-2.8 -14.9,-2.8 -17.1,-0.6 -17,-0.5 -17,28.7 -17,29.431 -15.207,31.225 -15.131,31.3 14.5,31.3 14.9,31.3 17,29.2

## Keep-outs
Bottom Overlay:
  lines w0.013: -15.275,13.075 ccw(c-15.275,14.175) -15.275,15.275
Keep-Out Layer:
  the board outline again, w0.013

## Other copper
Top Layer:
  pour cut-out: 12.1,12.05 13.1,12.05 13.1,11.9 12.1,11.9
  pour cut-out: -10.125,31.05 -10.063,30.988 -10.063,21.7 -16.825,21.7 -16.875,21.65 -16.875,29.325 -15.125,31.075
S1:
  pour cut-out: -10.125,31.05 -10.063,30.988 -10.063,21.7 -16.825,21.7 -16.875,21.65 -16.875,29.325 -15.125,31.075
S2:
  pour cut-out: -10.05,31.25 -9.988,31.188 -9.988,21.9 -16.75,21.9 -16.8,21.85 -16.8,29.525 -15.05,31.275
GND:
  pour cut-out: -10.125,31.05 -10.063,30.988 -10.063,21.7 -16.825,21.7 -16.875,21.65 -16.875,29.325 -15.125,31.075
POWER:
  pour cut-out: -10.207,31.2 -10.144,31.138 -10.144,21.85 -16.907,21.85 -16.957,21.8 -16.957,29.475 -15.207,31.225
Bottom Layer:
  rectangle net GND: -13.8,21.2 -12.6,21.9

## Silkscreen, mask and mechanical layers (free items; w line width, h text height)
Top Overlay:
  rectangle: 2.6,1.4 4.1,1.8
  rectangle: 6,18.925 7.139,19.325
  rectangle: -5.8,15.5 4.2,15.7
  rectangle: 4,15.5 4.2,25.5
  rectangle: -5.8,25.3 4.2,25.5
  rectangle: -5.8,15.5 -5.6,25.5
  region: 4.2,25.3 3.95,25.55 3.767,25.367 4.017,25.117
  lines w0.254: 5.63,19.294 6.1,18.825 ; 5.739,19.125 5.46,19.125 ; 5.739,19.225 5.939,19.425 ; 5.939,19.145 5.939,19.325 ; 5.46,19.125 6.1,18.485 6.1,19.764 5.46,19.125
  text "06-06-19" at 4.4,3.4 h1.25
Bottom Overlay:
  rectangle: -14.1,4.2 -13.3,4.4
  lines w1.25: -16.375,12.575 -15.275,12.575 ccw(c-15.275,14.175) -15.275,15.775 -16.375,15.775 ; -1.6,-2.2 -1.6,-1.1 cw(c0,-1.1) 1.6,-1.1 1.6,-2.2 ; 16.375,12.575 15.275,12.575 cw(c15.275,14.175) 15.275,15.775 16.375,15.775

## Text inside footprints (layer, text, board x,y; h text height)
D5: Top Overlay "-" at -12.2,20.826 h1.5 r180; Top Overlay "+" at -11.925,18.226 h1.5 r90